# Altium PCB Convector_digit.PcbDoc (continued)
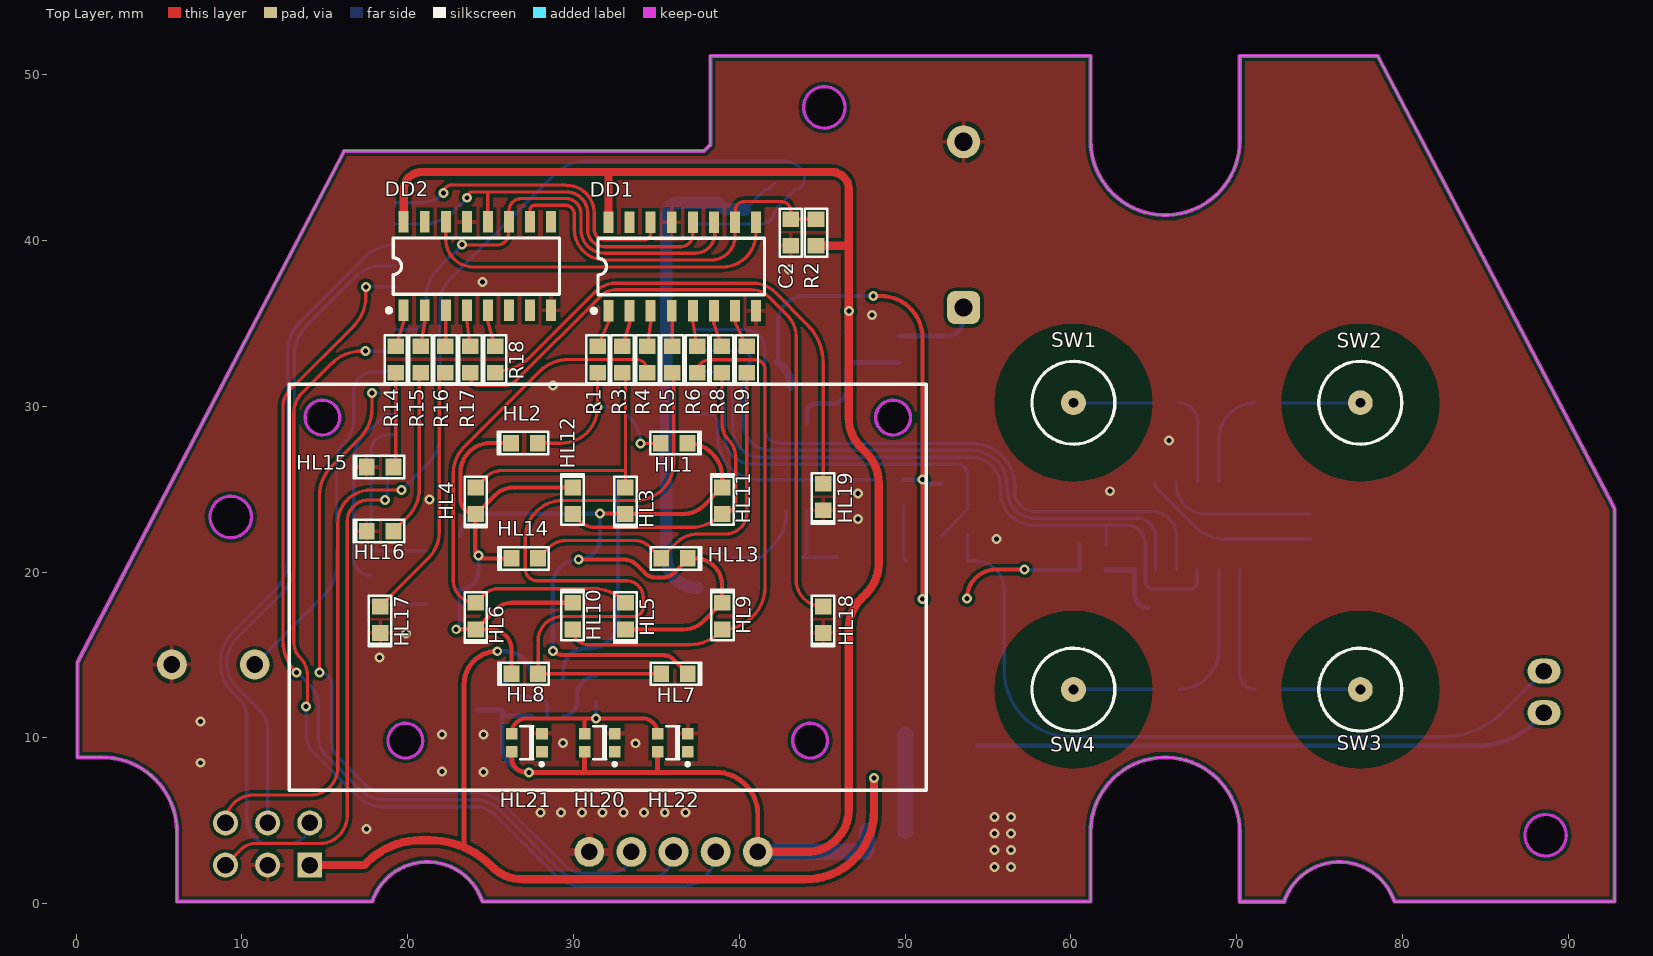
[diagram p0: Top Layer view]
## Part data
A1: library part 3576, "Bluetooth, WiFi 802.11b/g/n, Bluetooth v4.2 +EDR, Class 1, 2 and 3 Transceiver Module 2.4GHz ~ 2.5GHz Integrated, Trace Surface Mount", Manufacturer="Espressif Systems", Footprint Type=SMD, ID=3576, LCPN=C82899, MFPN=ESP32-WROOM-32, Supplier=LC, Symbol=ESP32-WROOM-32, Type=Modules, URL=https://lcsc.com/product-detail/WIFI-Modules_Espressif-Systems-ESP32-WROOM-32_C82899.html
C1 C5 C6 C7 C14 C16 C17 C18: library part 1234, "Cap Ceramic, 0603, ±10%, 50V, X7R (X5R), -55 +125C (-55 +85C)", Footprint Type=SMD, ID=1234, LCPN=C187860, MFPN=0603B104K500NT, Symbol=Capacitor, Type=Capacitors, URL=https://lcsc.com/product-detail/Multilayer-Ceramic-Capacitors-MLCC-SMD-SMT_YAGEO-CC0603KRX7R9BB104_C14663.html
C2 C8 C9: library part 1246, "Cap Ceramic, 0603, ±10%, 50V, X7R (X5R), -55 +125C (-55 +85C)", Footprint Type=SMD, ID=1246, LCPN=C1592, MFPN=CL10A105KO8NNNC, Symbol=Capacitor, Type=Capacitors, URL=https://lcsc.com/product-detail/Multilayer-Ceramic-Capacitors-MLCC-SMD-SMT_Samsung-Electro-Mechanics-CL10A105KO8NNNC_C1592.html
C3 C4: library part 1331, "Cap Ceramic, 0805, ±10%, 50V, X7R (X5R), -55 +125C (-55 +85C)", Footprint Type=SMD, ID=1331, LCPN=C17024, Symbol=Capacitor, Type=Capacitors
C10: library part 1218, "Cap Ceramic, 0603, ±10%, 50V, X7R (X5R), -55 +125C (-55 +85C)", Footprint Type=SMD, ID=1218, LCPN=C53987, MFPN=0603B472K500NT, Symbol=Capacitor, Type=Capacitors
C11 C12: library part 1163, "Cap Ceramic, 0603, 5%, 50V, NPO (C0G), -55 +125C", Footprint Type=SMD, ID=1163, LCPN=C38523, MFPN=CL10C120JB8NNNC, Symbol=Capacitor, Type=Capacitors, URL=https://lcsc.com/product-detail/Multilayer-Ceramic-Capacitors-MLCC-SMD-SMT_Samsung-Electro-Mechanics-CL10C120JB8NNNC_C38523.html
C13: library part 1144, "Cap Ceramic, 0603, 5%, 50V, NPO (C0G), -55 +125C", Footprint Type=SMD, ID=1144, LCPN=C21895, MFPN=CL10C020CB8NNNC, Symbol=Capacitor, Type=Capacitors, URL=https://lcsc.com/product-detail/Multilayer-Ceramic-Capacitors-MLCC-SMD-SMT_SAMSUNG_CL10C020CB8NNNC_2-0pF-020-0-25pF-50V_C21895.html
C15: library part 3579, "Ionistor 5.5V 0.22F", Manufacturer="WTSCAP (Wenting)", Footprint Type=TH, ID=3579, LCPN=C389744, MFPN=WTC5V50F22Z-0510H, Supplier=LC, Symbol=Capacitor_polarised, Type=Capacitors, URL=https://item.szlcsc.com/365848.html
DA1: library part 1489, "IC, Vreg, LDO, For Low ESR MLCC Cout, SOT223", Footprint Type=SMD, ID=1489, LCPN=C108494, MFPN=AZ1117EH-3.3TRG1, Supplier=JLC, Symbol=LDO_1117, Type=Microschemes, URL=https://lcsc.com/product-detail/Low-Dropout-Regulators-LDO_DIODES_AZ1117EH-3-3TRG1_AZ1117EH-3-3TRG1_C108494.html
DA2: library part 3620, "SOP-16 Touch Screen Controller ICs RoHS", LCSC_PartNumber=C441720, Manufacturer=Sam&wing, Footprint Type=SMD, Group=Микросхемы, ID=3620, LCPN=C441720, MFPN=XW09A, Name=XW09A, Supplier=LC, Symbol=XW09X, Type=Microschemes, URL=https://lcsc.com/product-detail/Touch-Screen-Controller-ICs_Sam-wing-XW09A_C441720.html
DA3: library part 3597, "Level Translators, Shifters RoHS", Manufacturer="Jiangsu RUNIC Tech", Footprint Type=SMD, ID=3597, LCPN=C2762287, MFPN=RS0101YH6, Supplier=LC, Symbol=RS0101YH6, Type=Microschemes, URL=https://lcsc.com/product-detail/Level-Translators-Shifters_Jiangsu-RUNIC-Tech-RS0101YH6_C2762287.html
DD1 DD2: library part 3557, "Shift Register Serial to parallel, serial SOIC-16_150mil", Manufacturer="Shenzhen Fuman Elec", Footprint Type=SMD, ID=3557, LCPN=C2798023, MFPN=74HC595D,118, Supplier=LC, Symbol=74HC595D, Type=Microschemes, URL=https://lcsc.com/product-detail/74-Series_Nexperia-74HC595D-118_C5947.html
DD3: library part 3578, "SOP-8 Real-time Clocks RoHS", Manufacturer="Wuxi I-core Elec", Footprint Type=SMD, ID=3578, LCPN=C116087, MFPN=AiP8563, Supplier=LC, Symbol=AiP8563, Type=Microschemes
HA1: library part 1501, "BUZZER, Piezo, Pitch 5mm (TDK)", Footprint Type=TH, ID=1501, LCPN=C219727, MFPN=PS1240P02BT, Supplier=LC, Symbol=Buzzer, Type=Audio
HL1 HL2 HL3 HL4 HL5 HL6 HL7 HL8 HL9 HL10 HL11 HL12 HL13 HL14 HL15 HL16 HL17 HL18 HL19: library part 3558, "LED, SMD 0603, 30mA, White", Manufacturer=Orient, Footprint Type=SMD, ID=3558, LCPN=C205448, MFPN=ORH-W46G, Supplier=LC, Symbol=LED, Type=LED, URL=https://lcsc.com/product-detail/Light-Emitting-Diodes-LED_Orient-ORH-W46G_C205448.html
HL20 HL21 HL22: library part 3562, "Intelligent control LED, 2.0x2.0mm", Manufacturer=Worldsemi, Footprint Type=SMD, ID=3562, LCPN=C965556, MFPN=WS2812C-2020, Supplier=LC, Symbol=WS2812C-2020, Type=LED, URL=https://lcsc.com/product-detail/Light-Emitting-Diodes-LED_Worldsemi-WS2812C-2020_C965556.html
R1 R3 R4 R5 R6 R8 R9 R14 R15 R16 R17 R18 R34: library part 61, "Res, 0603, 1%, 1/10W", Manufacturer="Walsin Tech Corp", Footprint Type=SMD, ID=61, LCPN=C163905, MFPN=WR06X3300FTL, Supplier=JLC, Symbol=Resistor, Type=Resistors, URL=https://lcsc.com/product-detail/Chip-Resistor-Surface-Mount_Walsin-Tech-Corp-WR06X3300FTL_C163905.html
R2: library part 97, "Res, 0603, 1%, 1/10W", Manufacturer="FH(Guangdong Fenghua Advanced Tech)", Footprint Type=SMD, ID=97, LCPN=C115324, MFPN=RS-03K1002FT, Supplier=JLC, Symbol=Resistor, Type=Resistors, URL=https://lcsc.com/product-detail/Chip-Resistor-Surface-Mount_FH-Guangdong-Fenghua-Advanced-Tech-RS-03K1002FT_C115324.html
R7 R19 R20: library part 109, "Res, 0603, 1%, 1/10W", Manufacturer="UNI-ROYAL(Uniroyal Elec)", Footprint Type=SMD, ID=109, LCPN=C4216, MFPN=0603WAF3302T5E, Supplier=JLC, Symbol=Resistor, Type=Resistors, URL=https://lcsc.com/product-detail/Chip-Resistor-Surface-Mount_UNI-ROYAL-Uniroyal-Elec-0603WAF3302T5E_C4216.html
R10 R11 R24 R25 R28 R30 R31 R35: library part 73, "Res, 0603, 1%, 1/10W", Manufacturer="FH(Guangdong Fenghua Advanced Tech)", Footprint Type=SMD, ID=73, LCPN=C115325, MFPN=RS-03K1002FT, Supplier=JLC, Symbol=Resistor, Type=Resistors, URL=https://lcsc.com/product-detail/Chip-Resistor-Surface-Mount_FH-Guangdong-Fenghua-Advanced-Tech-RS-03K1001FT_C115325.html
R12 R13: library part 121, "Res, 0603, 1%, 1/10W", Manufacturer="UNI-ROYAL(Uniroyal Elec)", Footprint Type=SMD, ID=121, LCPN=C25803, MFPN=0603WAF1003T5E, Supplier=JLC, Symbol=Resistor, Type=Resistors, URL=https://lcsc.com/product-detail/Chip-Resistor-Surface-Mount_UNI-ROYAL-Uniroyal-Elec-0603WAF1003T5E_C25803.html
R21 R22: library part 90, "Res, 0603, 1%, 1/10W", Footprint Type=SMD, ID=90, LCPN=C156350, MFPN=RS-03K5101FT, Symbol=Resistor, Type=Resistors
R23: library part 3606, "Res, 0805, 0.1%, 1/8W", Footprint Type=SMD, ID=3606, LCPN=C78980, Supplier=LC, Symbol=Resistor_1/8W, Type=Resistors
R26 R27 R32: library part 89, "Res, 0603, 1%, 1/10W", Manufacturer="UNI-ROYAL(Uniroyal Elec)", Footprint Type=SMD, ID=89, LCPN=C23162, MFPN=0603WAF4701T5E, Supplier=JLC, Symbol=Resistor, Type=Resistors, URL=https://lcsc.com/product-detail/Chip-Resistor-Surface-Mount_UNI-ROYAL-Uniroyal-Elec-0603WAF4701T5E_C23162.html
R29: library part 49, "Res, 0603, 1%, 1/10W", Manufacturer="UNI-ROYAL(Uniroyal Elec)", Footprint Type=SMD, ID=49, LCPN=C22775, MFPN=0603WAF1000T5E, Supplier=JLC, Symbol=Resistor, Type=Resistors, URL=https://lcsc.com/product-detail/Chip-Resistor-Surface-Mount_UNI-ROYAL-Uniroyal-Elec-0603WAF1000T5E_C22775.html
R33: library part 31, "Res, 0603, 1%, 1/10W", Footprint Type=SMD, ID=31, Symbol=Resistor, Type=Resistors
SW1 SW2 SW3 SW4: library part 1502, "Sensor Spring D=5.5/8.5, H=8.5±0.5mm", Footprint Type=TH, ID=1502, MFPN=XL-2258, Supplier="TB - BIG", Symbol=SENSOR_SPRING, Type=Switches
VD1: library part 1464, "Small Signal Fast Switching Diode, 150mA, 75V", Footprint Type=SMD, ID=1464, LCPN=C108805, MFPN=1N4148WS, Supplier=JLC, Symbol=Diode, Type=Diodes, URL=https://lcsc.com/product-detail/Switching-Diode_Shandong-Jingdao-Microelectronics-1N4148WS_C108805.html
VT1 VT2: library part 1470, "HEXFET Power MOSFET N-CH", Footprint Type=SMD, ID=1470, LCPN=C8545, MFPN=GM7002E, Supplier=JLC, Symbol=N-MOS, Type=Transistors
XP1: library part 3581, "2x3 Male pld pins 2.54", Footprint Type=TH, ID=3581, Symbol=MALE_6PIN, Type=Connectors
XP2: library part 1448, "Through-hole type shrouded header, XH Series, 2.5mm", Footprint Type=TH, ID=1448, LCPN=C158012, MFPN=B2B-XH-A(LF)(SN), Supplier=JLC, Symbol=MALE_2PIN, Type=Connectors, URL=https://lcsc.com/product-detail/Wire-To-Board-Wire-To-Wire-Connector_JST-Sales-America_B2B-XH-A-LF-SN_JST-Sales-America-B2B-XH-A-LF-SN_C158012.html
XS1: library part 1506, "Through-hole type shrouded header, XH Series, 2.5mm", Footprint Type=TH, ID=1506, LCPN=C50950, MFPN="2.54 单排排母5PIN，直插，塑高8.5mm", Supplier=JLC, Symbol=FEMALE_5PIN, Type=Connectors
ZQ1: library part 1504, "Quartz 32.768kHz 12.5pF 20ppm", Footprint Type=SMD, ID=1504, LCPN=C164062, MFPN="FC-135 32.768000kHz 12.5 +20.0-20.0", Supplier=JLC, Symbol=QUARTZ, Type=Quartzes, URL=https://lcsc.com/product-detail/SMD-Crystal-Resonators_TAE-Zhejiang-Abel-Elec-SMD-3215-2P32-768KHZ12-5PF10PPM_C164062.html

## Via types
v1: diameter 0.6, hole 0.3, Top Layer to Bottom Layer, tented both sides, 63 vias
v2: diameter 0.6, hole 0.3, Top Layer to Bottom Layer, 2 vias

## Nets (pads, with @x,y where several pads share a name; then routed paths per layer and width w, separated by ;. In a path a pad name is that pad's centre, name@x,y a point inside that pad or via, vN(x,y) a via of type N, cw(c..) or ccw(c..) an arc to the next point about the centre after c; other vN are vias at no path point)
3.3V: A1.2 C4.2 C5.2 C6.2 DA1.Y DA3.1 R7.2 R19.2 R20.2 R26.2 R27.2 R32.2 R33.2 XP1.1 XP2.1 | length 170.1
  Top Layer w0.254: v1(48.075,36.65) 48.511,36.65 cw(c48.511,34.11) 51.051,34.11 v1(51.051,25.574) v1@51.051,18.375 ; v1(53.725,18.4) cw(c55.475,18.4) 55.475,20.15 v1(57.2,20.15)
  Top Layer w0.3: 23.4,3.401 23.4,13.225 cw(c25.4,13.225) v1(25.4,15.225)
  Top Layer w0.5: XP1.1 14.59,2.33 17.38,2.33 17.531,2.481 cw(c20.774,-0.759) 20.774,3.825 21.339,3.825 cw(c21.339,-1.391) 23.4,3.401 cw(c21.339,-1.391) 25.03,2.295 25.106,2.219 ccw(c26.902,4.015) 26.902,1.475 44.013,1.475 ccw(c44.013,5.587) 48.125,5.587 v1(48.125,7.575)
  Bottom Layer w0.2: C6.2 40.35,41.85 41.575,43.075 41.75,43.075 R7.2
  Bottom Layer w0.254: R27.2 42.325,35.042 cw(c43.933,35.042) 43.933,36.65 v1(48.075,36.65) ; R19.2 v1(51.051,25.574) ; v1(51.051,25.574) ccw(c51.3,25.574) v1(51.051,25.574) ; R20.2 51.3,25.325 cw(c51.3,25.574) v1(51.051,25.574) ; v1(57.2,20.15) ccw(c57.225,20.15) 57.225,20.125 R33.2 R32.2
  Bottom Layer w0.3: v1(25.4,15.225) 25.837,15.225 cw(c25.837,13.587) DA3.1 ; 54.359,9.525 84.589,9.525 ccw(c84.589,14.199) 87.894,10.894 XP2.1
  Bottom Layer w0.5: R27.2 42.615,32.41 cw(c41.385,31.179) R26.2
  Bottom Layer w0.75: 37.45,19.05 cw(c37.45,20.9) 35.6,20.9 35.6,41.55 cw(c36.316,41.55) 36.316,42.266 A1.2 38.734,42.266 39.125,41.875 40.3,41.875 C6.2
  Bottom Layer w1: DA1.Y@50,4.4 DA1.Y@50,10.2
  other v1: 51.05,18.375
A: HL1.A HL2.A R1.1 | length 12.1
  Top Layer w0.2: HL2.A 29.277,27.777 ccw(c29.277,29.95) v1(31.45,29.95) R1.1 ; v1(34.05,27.75) 35.106,27.75 HL1.A@35.2,27.844
  Top Layer w0.254: HL1.A@35.2,27.844 HL1.A
  Bottom Layer w0.2: v1(31.45,29.95) 31.85,29.95 cw(c31.85,27.75) 34.05,27.775 cw(c31.85,27.75) v1(34.05,27.75)
ADC_CAL: A1.12 C16.2 R19.1 R21.2 | length 15.3
  Bottom Layer w0.2: A1.12 38.083,29.544 cw(c38.083,28.928) 38.7,28.928 38.7,28.076 ccw(c41.201,28.076) 41.201,25.575 C16.2 48.28,25.575 R19.1@48.302,25.597 ; R21.2 R19.1@48.302,25.597 ; R19.1 R19.1@48.302,25.597
ADC_T1: A1.11 C17.2 R20.1 R22.2 | length 24.4
  Bottom Layer w0.2: A1.11 38.32,30.814 cw(c38.32,30.035) 39.1,30.035 39.1,28.243 ccw(c40.843,28.243) 40.843,26.5 53.114,26.5 cw(c53.114,25.839) 53.775,25.839 R20.1 C17.2 52.26,22.26 cw(c52.175,22.346) R22.2
B: HL3.A HL4.A R3.1 | length 16.4
  Top Layer w0.2: HL4.A 24.741,25.738 cw(c25.675,24.804) 24.906,25.878 cw(c25.675,24.804) 25.675,26.125 33.1,26.125 33.13,26.095 ; R3.1 cw(c32.95,31.845) 33.13,31.845 33.13,26.095 ; HL3.A 33.13,26.095
BOOT: A1.25 XP1.5 | length 32.5
  Top Layer w0.2: XP1.5 9.99,3.31 ; 9.991,3.311 cw(c10.75,2.551) 10.75,3.625 14.674,3.625 ccw(c14.674,5.301) 16.35,5.301 16.35,23.05 cw(c17.65,23.05) 17.65,24.35 v1(18.625,24.35)
  Bottom Layer w0.2: v1(18.625,24.35) 18.625,24.458 18.775,24.608 18.775,26.647 19.132,27.004 A1.25
BUZZER: A1.29 R30.2 | length 11.4
  Bottom Layer w0.2: R30.2 15.7,26.675 cw(c17.269,26.675) 16.159,27.784 ; 16.16,27.785 16.213,27.838 ; 16.214,27.839 ccw(c14.978,29.074) 16.725,29.074 16.725,30.85 cw(c17.959,30.85) 17.959,32.084 A1.29
C: HL5.A HL6.A R4.1 | length 34
  Top Layer w0.2: R4.1 34.45,32.15 ccw(c33.775,32.15) 33.775,32.825 29.727,32.825 ccw(c29.727,30.285) 27.931,32.081 23.525,27.675 cw(c23.359,27.786) 23.493,27.638 ccw(c24.977,25.975) 23.401,27.552 ccw(c24.977,25.975) 23.4,27.551 ccw(c24.977,25.975) 22.748,25.975 22.748,19.497 ccw(c24.102,19.497) 22.748,19.472 ccw(c24.102,19.497) 24.077,18.144 ccw(c24.102,19.497) HL6.A 24.593,18.635 cw(c25.475,17.753) 24.754,18.77 cw(c25.475,17.753) 25.475,19 31.222,19 cw(c31.222,16.46) HL5.A@32.794,18.455 ; HL5.A@32.794,18.455 cw(c31.222,16.46) 33.018,18.256 HL5.A 33.106,18.143 HL5.A@32.794,18.455
CH1: A1.30 XS1.2 | length 57.3
  Top Layer w0.2: 13.125,15.784 ccw(c14.474,15.784) 13.519,14.831 cw(c12.482,13.792) 13.95,13.791 13.95,11.975 v1(13.875,11.9) ; 13.125,15.785 13.125,29.611 cw(c14.789,29.611) 13.613,30.787 15.406,32.581 cw(c17.202,30.785) 17.202,33.325 v1(17.45,33.325)
  Bottom Layer w0.2: v1(13.875,11.9) 13.875,10.15 ccw(c15.324,10.15) 14.299,9.126 16.945,6.48 ccw(c18.462,7.992) 18.465,5.85 24.075,5.85 cw(c24.075,4.138) 25.286,5.348 28.915,1.719 28.917,1.718 ccw(c30.516,3.317) 30.518,1.055 36.5,1.055 ccw(c36.5,3.125) XS1.2 ; v1(17.45,33.325) 19.212,33.325 A1.30
CH2: A1.33 XS1.3 | length 57.5
  Top Layer w0.2: 12.899,30.999 ccw(c13.924,29.975) 12.475,29.975 12.475,15.827 ccw(c15.015,15.827) 13.219,14.031 v1(13.3,13.95) ; 12.899,30.999 16.731,34.831 ccw(c14.935,36.627) 17.475,36.627 v1(17.475,37.2)
  Bottom Layer w0.2: v1(13.3,13.95) 13.325,13.95 14.123,13.152 ; 14.123,13.152 cw(c12.97,12) 14.6,12 14.6,10.025 ccw(c16.109,10.025) 15.041,8.959 17.17,6.83 ; 17.171,6.829 ccw(c18.508,8.165) 18.508,6.275 ; v1(17.475,37.2) 19.227,37.2 A1.33 ; 18.509,6.275 24.043,6.275 cw(c24.045,4.15) 25.547,5.653 25.549,5.651 29.176,2.024 ccw(c30.55,3.399) 30.55,1.455 34.36,1.455 ccw(c34.36,3.125) XS1.3
CH3: A1.28 XS1.4 | length 46.1
  Top Layer w0.2: v1(14.675,13.95) 14.675,24.598 cw(c17.215,24.598) 15.419,26.394 17.106,28.081 ccw(c15.31,29.877) 17.85,29.877 v1(17.85,30.8)
  Bottom Layer w0.2: v1(14.675,13.95) cw(c14.675,13.2) 15.425,13.2 15.425,9.695 ccw(c16.62,9.695) 15.775,8.85 17.501,7.124 ccw(c18.525,8.148) 18.525,6.7 24.008,6.7 ; v1(17.85,30.8) 19.227,30.8 A1.28 ; 24.009,6.7 cw(c24.009,4.127) 25.83,5.945 29.457,2.318 ccw(c30.575,3.436) 30.575,1.855 32.22,1.855 ccw(c32.22,3.125) XS1.4
D: HL7.A HL8.A R5.1 | length 44.5
  Top Layer w0.2: HL7.A HL8.A 27.862,15.862 cw(c29.319,15.862) 29.319,17.318 33.65,17.318 ccw(c33.65,17.868) 34.2,17.868 34.2,18.474 ccw(c33.204,18.474) 33.204,19.47 27.814,19.47 cw(c27.814,20.197) 27.087,20.197 27.087,22.043 cw(c29.366,22.043) 29.366,24.321 33.755,24.321 ccw(c33.755,26.608) 36.042,26.608 36.042,31.933 R5.1
DIG1: A1.27 R11.2 | length 11.6
  Bottom Layer w0.2: R11.2 17.75,19.8 cw(c17.75,20.8) 16.75,20.8 16.75,26.8 cw(c18.742,26.8) 17.333,28.208 18.265,29.14 cw(c19.242,28.163) 18.339,29.209 cw(c19.242,28.163) A1.27
DIG2: A1.26 R10.2 | length 6.3
  Bottom Layer w0.2: R10.2 17.779,27.284 cw(c18.77,27.284) 18.77,28.274 A1.26
E: HL9.A HL10.A R6.1 | length 31.9
  Top Layer w0.2: HL10.A ccw(c30.861,16.543) 30.861,15.625 37.029,15.625 ccw(c37.029,18.165) 38.501,16.095 ccw(c37.029,18.165) 38.825,16.369 HL9.A@38.987,16.531 ; R6.1 cw(c38.225,32.025) 38.225,32.8 40.975,32.8 cw(c40.975,32.225) 41.55,32.225 41.55,19.091 cw(c38.974,19.119) HL9.A
EN: A1.3 C1.2 R7.1 XP1.6 | length 75
  Top Layer w0.2: XP1.6 cw(c10.69,4.87) 10.69,6.55 14.138,6.55 ccw(c14.138,8.187) 15.775,8.187 15.775,22.95 cw(c17.775,22.95) 17.775,24.95 v1(19.625,24.95)
  Bottom Layer w0.2: v1(19.625,24.95) 21.206,26.531 ccw(c19.41,28.327) 21.95,28.327 21.95,36.204 ; 21.95,36.205 cw(c24.05,36.205) 22.566,37.691 28.906,44.031 cw(c30.702,42.235) 30.702,44.775 42.775,44.775 cw(c42.775,43.625) 43.925,43.625 C1.2 43.55,43.075 43.375,43.075 42.15,41.85 cw(c41.296,41.85) 41.296,40.996 A1.3
F: HL11.A HL12.A R8.1 | length 18.7
  Top Layer w0.2: HL12.A 30.354,23.088 ccw(c31.3,24.035) 30.52,22.948 ccw(c31.3,24.035) 31.3,22.696 37.094,22.696 ccw(c37.094,25.236) 38.89,23.44 38.949,23.499 HL11.A ccw(c38.974,24.299) 39,23.499 ccw(c38.974,24.299) 39.774,24.274 ccw(c38.974,24.299) 39.774,24.299 39.774,26.967 ccw(c38.367,26.967) 39.362,27.962 cw(c40.357,28.957) 38.95,28.957 R8.1
G: HL13.A HL14.A R9.1 | length 23.1
  Top Layer w0.2: HL14.A 28.529,21.487 cw(c29.525,20.491) 29.525,21.9 33.694,21.9 cw(c33.694,20.644) 34.582,21.533 ; 34.582,21.532 HL13.A 35.293,20.846 36.209,21.762 cw(c37.5,20.471) 37.5,22.296 39.171,22.296 ccw(c39.171,23.576) 40.45,23.576 R9.1
GND: A1.1 A1.15 A1.38 A1.GND C1.1 C2.1 C3.1 C4.1 C5.1 C6.1 C7.1 C8.1 C9.1 C10.2 C11.1 C12.1 C13.2 C14.2 C15.- C16.1 C17.1 C18.1 DA1.X DA2.1 DA3.2 DD1.8 DD1.13 DD2.8 DD2.13 DD3.4 HA1.2 HL15.C HL16.C HL17.C HL18.C HL19.C HL20.- HL21.- HL22.- R12.1 R13.1 R23.1 VT1.Z VT2.Z XP1.3 XS1.5
  other v1: 55.375,2.225 56.375,2.225 55.375,3.225 56.375,3.225 55.375,4.225 56.375,4.225 17.5,4.5 55.375,5.225 56.375,5.225 28,5.5 29.25,5.5 30.5,5.5 31.75,5.5 33,5.5 34.25,5.5 35.5,5.5 36.75,5.5 24.575,7.95 22.075,7.975 7.5,8.5 33.75,9.675 29.375,9.7 22.075,10.2 24.575,10.2 7.5,11 18.3,14.85 19.9,16.3 55.5,22 47.15,23.2 21.3,24.375 47.15,24.75 28.75,31.25 48,35.5 24.5,37.5 43,38.25
  other v2: 62.35,24.875 65.9,27.925
LED_CLK: A1.31 DD1.11 DD2.11 | length 28.5
  Top Layer w0.2: v1(23.275,39.75) 23.3,39.725 25.4,39.725 ccw(c25.4,40.4) 26.075,40.4 26.075,41.087 cw(c26.105,41.087) DD2.11 26.1,41.117 26.1,41.775 cw(c26.85,41.775) 26.85,42.525 29.537,42.525 cw(c29.537,41.612) 30.45,41.612 30.45,40.65 ccw(c31.875,40.65) 31.875,39.225 37.333,39.225 ccw(c37.333,40.414) 38.504,40.623 DD1.11
  Bottom Layer w0.2: A1.31 20.249,34.624 ccw(c20.249,35.5) 21.125,35.5 21.125,36.571 ; 21.125,36.572 cw(c23.603,36.573) 21.852,38.327 v1(23.275,39.75)
LED_MOSI: A1.37 DD1.14 | length 19.1
  Top Layer w0.2: v1(22.15,42.85) cw(c22.65,42.85) 22.65,43.35 29.578,43.325 cw(c29.578,41.653) 31.25,41.653 31.25,40.65 ccw(c31.875,40.65) 31.875,40.025 34.275,40.025 ccw(c34.275,40.4) 34.65,40.4 34.65,41.092 DD1.14
  Bottom Layer w0.2: A1.37 20.74,42.266 ccw(c20.74,44.26) v1(22.15,42.85)
LED_SHIFT: A1.36 DD1.12 DD2.12 | length 24
  Top Layer w0.2: v1(23.575,42.575) cw(c23.925,42.575) 23.925,42.925 24.835,42.925 ; DD2.12 24.835,42.925 ; DD1.12 37.194,40.344 cw(c36.475,40.344) 36.475,39.625 31.875,39.625 cw(c31.875,40.65) 30.85,40.65 30.85,41.653 ccw(c29.578,41.653) 29.578,42.925 24.835,42.925
  Bottom Layer w0.2: A1.36 20.944,40.996 ccw(c20.944,43.536) 22.74,41.74 v1(23.575,42.575)
NetC2_2: C2.2 DD1.10 DD2.10 R2.2 | length 23.9
  Top Layer w0.2: DD2.10 27.375,41.825 cw(c27.675,41.825) 27.675,42.125 29.5,42.125 cw(c29.5,41.575) 30.05,41.575 30.05,40.65 ccw(c31.875,40.65) 31.875,38.825 38.317,38.825 ccw(c38.317,40.242) 39.734,40.242 DD1.10 39.75,41.092 39.75,41.8 cw(c40.3,41.8) 40.3,42.35 42.525,42.35 cw(c42.525,41.775) 43.1,41.775 C2.2 R2.2
NetC8_2: C8.2 R21.1 R23.2 | length 3.4
  Bottom Layer w0.2: R21.1 49.902,20.822 R23.2
NetC10_1: C10.1 DA2.2 | length 10.9
  Bottom Layer w0.2: DA2.2 65.1,25.117 67.498,22.719 ccw(c69.294,24.515) 67.926,22.375 ccw(c69.294,24.515) 69.294,21.975 C10.1
NetC11_2: C11.2 DD3.1 ZQ1.1 | length 5
  Bottom Layer w0.2: DD3.1 44.08,21.155 ZQ1.1 45.9,20.9 C11.2
NetC12_2: C12.2 DD3.2 ZQ1.2 | length 5.1
  Bottom Layer w0.2: C12.2 41.3,20.875 ZQ1.2 42.066,21.641 ccw(c40.27,23.437) 42.679,22.631 ccw(c40.27,23.437) 42.81,23.437 DD3.2
NetC13_1: C13.1 DA2.3 | length 9.3
  Bottom Layer w0.2: DA2.3 66.37,25.236 ccw(c68.106,25.236) 66.878,24.009 ; 66.878,24.008 ccw(c68.106,25.236) 68.106,23.5 C13.1
NetC14_1: C14.1 DD3.8 R29.1 VD1.C | length 8.3
  Bottom Layer w0.3: DD3.8 44.08,29.63 cw(c44.625,29.63) 44.625,30.175 45.611,30.175 ccw(c45.611,31.039) 46.475,31.039 46.475,32.225 46.875,32.625 R29.1
NetC15_+: C15.+ R29.2 | length 5.2
  Bottom Layer w0.3: R29.2 52.438,34.225 ccw(c52.438,35.312) 53.525,35.312 C15.+
NetC18_2: C18.2 DA2.16 R33.1 | length 4.5
  Bottom Layer w0.3: R33.1 62.125,20.133 DA2.16 63.83,18.695 ccw(c64.675,18.695) C18.2
NetDA2_4: DA2.4 R24.2 | length 5.4
  Bottom Layer w0.2: R24.2 cw(c66.5,29.06) 67.64,29.06 DA2.4
NetDA2_5: DA2.5 R25.2 | length 6
  Bottom Layer w0.2: DA2.5 68.91,28.01 cw(c71.1,28.01) R25.2
NetDA2_11: DA2.11 R28.2 | length 7.7
  Bottom Layer w0.2: DA2.11 70.18,13.845 ccw(c71.1,13.845) R28.2
NetDA2_12: DA2.12 R31.2 | length 8.6
  Bottom Layer w0.2: R31.2 ccw(c66.5,15.335) 68.91,15.335 DA2.12
NetDA3_4: DA3.4 R34.1 | length 3.5
  Bottom Layer w0.254: DA3.4 ccw(c29.375,12.137) 30.2,12.137 30.2,12.575 cw(c31.35,12.575) R34.1
NetDA3_5: DA3.5 R35.1 | length 4
  Bottom Layer w0.2: R35.1 25.919,13.275 R35.1@25.971,13.239
  Bottom Layer w0.254: R35.1@25.971,13.239 cw(c25.856,13.075) 26.052,13.114 ccw(c26.864,13.275) 26.864,12.448 27.736,12.448 cw(c27.736,11.759) 28.425,11.759 DA3.5
NetDD1_1: DD1.1 R1.2 | length 2.3
  Top Layer w0.2: R1.2@31.469,33.617 32.107,35.06 ccw(c31.924,35.141) 32.124,35.141 32.124,35.208 DD1.1
NetDD1_2: DD1.2 R3.2 | length 2.2
  Top Layer w0.2: R3.2 32.954,33.621 32.964,33.621 33.391,35.045 ; DD1.2 33.399,35.208 33.399,35.102 cw(c33.199,35.102) 33.391,35.045
NetDD1_3: DD1.3 R4.2 | length 2.2
  Top Layer w0.2: R4.2 34.456,33.624 34.648,35.088 ; 34.648,35.088 ccw(c34.45,35.114) 34.65,35.114 34.65,35.208 DD1.3
NetDD1_4: DD1.4 R5.2 | length 2.7
  Top Layer w0.2: R5.2 DD1.4@35.95,35.208 ; DD1.4@35.95,35.208 35.924,35.234 DD1.4 DD1.4@35.95,35.208
NetDD1_5: DD1.5 R6.2 | length 2.2
  Top Layer w0.2: DD1.5 37.2,35.208 37.2,35.092 ccw(c37.4,35.092) 37.202,35.06 37.447,33.591 37.447,33.622 R6.2
NetDD1_6: DD1.6 R8.2 | length 2.2
  Top Layer w0.2: 38.462,34.966 38.934,33.62 38.94,33.625 R8.2 ; 38.462,34.967 cw(c38.651,35.032) 38.451,35.032 38.451,35.208 DD1.6
NetDD1_7: DD1.7 R9.2 | length 2.3
  Top Layer w0.2: DD1.7 39.749,35.208 39.749,35.097 ccw(c39.949,35.097) 39.768,35.012 ; 39.768,35.011 40.431,33.616 40.44,33.625 R9.2
NetDD1_9: DD1.9 DD2.14 | length 22.5
  Top Layer w0.2: DD2.14 22.295,40.059 ccw(c23.954,40.059) 23.954,38.4 38.988,38.4 ccw(c38.988,40.416) 41.004,40.416 DD1.9
NetDD2_1: DD2.1 R14.2 | length 2.2
  Top Layer w0.2: R14.2 19.279,33.621 19.289,33.621 19.741,35.072 ; 19.741,35.072 ccw(c19.55,35.131) 19.75,35.131 19.75,35.233 DD2.1
NetDD2_2: DD2.2 R15.2 | length 2.4
  Top Layer w0.2: R15.2 20.776,33.624 20.783,33.624 21.022,35.084 ccw(c20.825,35.116) 20.987,35.233 20.825,35.233 DD2.2
NetDD2_3: DD2.3 R16.2 | length 2.7
  Top Layer w0.2: R16.2 22.291,33.625 DD2.3@22.291,35.233 ; DD2.3@22.291,35.233 22.291,35.779 DD2.3 DD2.3@22.291,35.233
NetDD2_4: DD2.4 R17.2 | length 2.2
  Top Layer w0.2: DD2.4 23.575,35.233 23.575,35.115 ccw(c23.775,35.115) 23.576,35.089 R17.2@23.769,33.624 ; R17.2@23.769,33.625 R17.2
NetDD2_5: DD2.5 R18.2 | length 2.1
  Top Layer w0.2: DD2.5@24.825,35.233 DD2.5 ; 24.833,35.072 25.242,33.616 25.252,33.625 R18.2
NetHA1_1: HA1.1 R30.1 | length 8.9
  Bottom Layer w0.2: HA1.1 14.956,18.606 ccw(c13.16,20.402) 15.7,20.402 R30.1
NetHL1_C: HL1.C HL3.C HL5.C HL7.C HL9.C HL11.C HL13.C VT1.Y | length 57.5
  Top Layer w0.254: v1(28.75,15.25) ccw(c29.354,15.854) 28.991,15.081 ccw(c29.354,15.854) 29.354,15 35.375,15 cw(c35.375,14.075) 36.029,14.729 HL7.C HL7.C@36.893,13.89 ; v1(30.312,20.762) 33,20.762 cw(c33,19.586) 33.832,20.418 ; v1(31.6,23.525) 33.102,23.525 HL3.C 33.134,23.5 36.572,23.5 ccw(c36.572,25.378) 37.9,24.05 ; HL5.C 36.637,16.543 ccw(c36.637,18.263) 37.852,17.046 ; 33.832,20.418 34.345,19.905 ; 34.345,19.905 ccw(c34.9,20.46) 34.9,19.675 35.382,19.675 ccw(c35.382,20.618) 36.049,19.951 ; 36.049,19.951 36.893,20.796 HL13.C 37.366,20.821 cw(c37.366,19.238) 38.949,19.238 38.949,18.143 37.853,17.047 ; HL1.C cw(c36.867,25.67) 38.974,25.67 HL11.C 38.949,25.099 37.9,24.05
  Bottom Layer w0.254: VT1.Y cw(c24.495,22.193) 24.495,23.522 31.597,23.522 v1(31.6,23.525) 31.6,22.05 cw(c30.312,22.05) v1(30.312,20.762) ccw(c30.312,19.2) 28.75,19.2 v1(28.75,15.25)
NetHL2_C: HL2.C HL4.C HL6.C HL8.C HL10.C HL12.C HL14.C VT2.Y | length 35.3
  Top Layer w0.2: HL4.C@24.075,23.472 HL4.C HL4.C@24.127,23.499
  Top Layer w0.254: v1(22.925,16.55) HL6.C@24.095,16.55 ; HL4.C@24.075,23.472 24.075,21.2 v1(24.265,21.01) 24.454,20.821 HL14.C ; HL4.C cw(c24.102,24.426) 23.175,24.426 23.175,25.975 cw(c24.977,25.975) 24.977,27.777 HL2.C ; HL4.C@24.127,23.499 25.264,24.636 cw(c26.381,23.519) 26.381,25.099 HL12.C ; 25.044,16.538 HL6.C@24.127,16.543 ; 25.045,16.538 cw(c25.03,15.306) 26.262,15.306 HL8.C ; HL10.C 26.264,18.143 ccw(c26.264,16.786) 25.304,17.746 24.475,16.916 24.475,16.891 HL6.C@24.127,16.543 ; HL6.C@24.127,16.543 ccw(c24.102,14.383) HL6.C HL6.C@24.127,16.543
  Bottom Layer w0.254: v1(22.925,16.55) 22.925,16.644 23.125,16.844 23.125,18.937 VT2.Y ccw(c23.163,20.077) 23.214,18.976 ccw(c23.163,20.077) 24.265,20.077 v1(24.265,21.01)
NetHL15_A: HL15.A R14.1 | length 5.7
  Top Layer w0.2: HL15.A 19.275,26.479 R14.1
NetHL16_A: HL16.A R15.1 | length 10.1
  Top Layer w0.2: HL16.A 19.999,23.333 ccw(c18.307,25.025) 20.192,23.551 ccw(c18.307,25.025) 20.7,25.025 20.7,31.95 R15.1
NetHL17_A: HL17.A R16.1 | length 15.6
  Top Layer w0.2: HL17.A 21.26,20.855 ccw(c19.716,22.4) 21.9,22.4 21.9,31.65 R16.1
NetHL18_A: HL18.A R17.1 | length 41.2
  Top Layer w0.2: R17.1 23.775,31.75 ccw(c24.275,31.75) 24.275,31.25 25.836,31.25 ccw(c25.838,32.201) 26.511,31.529 31.628,36.647 cw(c32.542,35.733) 32.542,37.025 40.75,37.025 cw(c40.75,35.576) 41.774,36.601 ; 41.774,36.601 42.895,35.48 ; 42.895,35.48 cw(c41.614,34.2) 43.425,34.2 43.425,19.534 ccw(c45.03,19.534) 45.03,17.929 HL18.A
NetHL19_A: HL19.A R18.1 | length 31.7
  Top Layer w0.2: R18.1 25.28,32.036 25.334,32.158 ccw(c25.455,34.852) 27.361,32.945 31.344,36.928 cw(c32.542,35.733) 31.347,36.931 cw(c32.542,35.733) 32.542,37.425 40.82,37.425 cw(c40.821,35.545) 42.151,36.874 42.152,36.873 44.099,34.926 ; 44.1,34.925 cw(c41.798,32.621) 45.055,32.621 HL19.A
NetR10_1: R10.1 R13.2 VT1.X | length 3.4
  Bottom Layer w0.2: R10.1 18.179,21.283 20.792,21.283 VT1.X
NetR11_1: R11.1 R12.2 VT2.X | length 3.4
  Bottom Layer w0.2: R11.1 18.175,18.066 20.788,18.066 VT2.X
NetR24_1: R24.1 SW1.1 | length 4.8
  Bottom Layer w0.2: SW1.1 60.149,30.2 R24.1
NetR25_1: R25.1 SW2.1 | length 4.8
  Bottom Layer w0.2: R25.1 77.449,30.2 SW2.1
NetR28_1: R28.1 SW3.1 | length 4.8
  Bottom Layer w0.2: R28.1 77.449,12.925 SW3.1
NetR31_1: R31.1 SW4.1 | length 4.8
  Bottom Layer w0.2: SW4.1 60.149,12.925 R31.1
RGB_ESP: A1.16 DA3.3 | length 13.9
  Bottom Layer w0.254: DA3.3 29.375,14.047 cw(c30.728,14.047) 30.728,15.4 30.952,15.4 ccw(c30.952,17.135) 32.687,17.135 A1.16
RGB_LEDS: HL20.I HL21.I HL22.I R34.2 | length 11.7
  Top Layer w0.254: HL21.I cw(c27.181,10.259) 27.181,11.175 30.667,11.175 HL20.I ; 30.675,11.175 34.152,11.175 cw(c34.152,10.259) HL22.I
  Bottom Layer w0.254: v1(31.35,11.175) R34.2
RX0: A1.34 XP1.4 | length 39.3
  Bottom Layer w0.2: XP1.4 11.55,10.581 ccw(c10.056,10.581) 11.112,11.638 9.728,13.022 cw(c11.243,14.538) 9.1,14.538 cw(c11.243,14.538) 9.727,16.052 12.431,18.756 ccw(c10.635,20.552) 13.175,20.552 13.175,33.098 cw(c15.715,33.098) 13.919,34.894 16.837,37.812 cw(c18.391,36.259) 18.391,38.456 A1.34
SCL: A1.8 DA2.14 DD3.6 R26.1 | length 40.5
  Bottom Layer w0.2: A1.8 40.376,34.624 cw(c40.376,33.475) 41.525,33.475 R26.1 41.54,31.164 DD3.6 41.54,28.635 ccw(c42.425,28.635) 42.425,27.75 54.06,27.75 cw(c54.06,25.21) 56.6,25.21 56.6,24.853 ccw(c57.803,24.853) 57.803,23.65 64.876,23.65 cw(c64.876,22.156) 66.37,22.156 DA2.14
SDA: A1.9 DA2.15 DD3.5 R27.1 | length 38.6
  Bottom Layer w0.2: A1.9 40.071,33.354 cw(c40.071,32.7) 40.725,32.725 cw(c40.071,32.7) R27.1 40.725,32.675 40.27,32.22 DD3.5 ; DD3.5@40.278,29.045 ccw(c41.825,28.903) 41.824,27.35 53.733,27.35 53.975,27.35 cw(c53.975,25.15) 56.175,25.15 56.175,24.878 ccw(c57.803,24.878) 57.803,23.25 58.625,23.25 63.986,23.25 cw(c63.986,22.136) 65.1,22.136 DA2.15
T1: C9.2 R22.1 XP2.2 | length 45.8
  Bottom Layer w0.2: R22.1 C9.2 54.232,20.675 cw(c54.232,18.932) 55.975,18.932 55.975,14.075 ccw(c59.975,14.075) 59.975,10.075 82.427,10.075 ccw(c82.427,15.261) 86.094,11.594 XP2.2
Touch1: DA2.6
Touch2: DA2.7
Touch3: DA2.9
Touch4: DA2.10
Touch5: DA2.8
TOUCH_INT: A1.10 DA2.13 R32.1 | length 42
  Bottom Layer w0.2: A1.10 38.248,32.084 cw(c38.248,30.732) 39.6,30.732 39.6,28.623 ccw(c41.298,28.623) 41.298,26.925 54.006,26.925 cw(c54.006,25.206) 55.725,25.206 55.725,24.896 ccw(c57.796,24.896) 57.796,22.825 62.125,22.825 ; R32.1 62.125,22.825 ; DA2.13@67.625,20.133 67.625,19.425 cw(c67.175,19.425) 67.175,18.975 64.975,18.975 cw(c64.975,19.475) 64.475,19.475 64.475,21.693 ccw(c63.343,21.693) 63.343,22.825 62.125,22.825
TX0: A1.35 XP1.2 | length 45.1
  Bottom Layer w0.2: XP1.2 cw(c12.87,4.87) 14.089,4.814 cw(c12.87,4.87) 12.926,3.651 cw(c12.87,4.87) 12.87,3.65 11.58,3.65 cw(c11.58,4.93) 10.3,4.93 10.3,11.26 ccw(c8.814,11.26) 9.865,12.31 9.43,12.745 9.429,12.746 cw(c11.207,14.525) 8.692,14.526 cw(c11.327,14.525) 9.465,16.39 12.006,18.931 ccw(c10.21,20.727) 12.75,20.727 12.75,33.273 cw(c15.29,33.273) 13.494,35.069 17.407,38.982 cw(c19.203,37.186) 19.203,39.726 A1.35
VCC: C3.2 C7.2 DA1.Z DA3.6 DD1.16 DD2.16 HL20.+ HL21.+ HL22.+ R2.1 R35.2 VD1.A XS1.1 | length 119.1
  Top Layer w0.3: HL21.+ 26.265,8.784 ccw(c27.124,8.784) 27.124,7.925 v1(27.3,7.925) 30.675,7.925 ; HL20.+ 30.675,9.159 30.675,7.925 ; HL22.+ 35.075,9.159 35.075,7.925 ; XS1.1 41.11,5.385 ccw(c38.57,5.385) 38.57,7.925 35.075,7.925 ; 30.675,7.925 35.075,7.925
  Top Layer w0.5: DD2.16 19.755,43.037 cw(c20.843,43.037) 20.843,44.125 32.114,44.125 ; DD1.16 32.114,44.125 ; XS1.1 44.06,3.125 ccw(c44.06,5.665) 46.6,5.665 46.6,16.598 cw(c49.14,16.598) 47.344,18.394 47.656,18.706 ccw(c45.86,20.502) 48.4,20.502 48.4,25.398 ccw(c45.86,25.398) 47.656,27.194 47.344,27.506 cw(c49.14,29.302) 46.6,29.302 v1(46.6,35.75) 46.6,39.726 ; R2.1 46.549,39.675 ccw(c46.549,39.726) 46.6,39.726 ; 32.114,44.125 32.125,44.125 45.568,44.125 cw(c45.568,43.093) 46.6,43.093 46.6,39.726
  Bottom Layer w0.3: C7.2 R35.2 ; v1(27.3,7.925) cw(c27.3,9.525) 25.7,9.525 R35.2 ; DA3.6 26.062,11.312 cw(c26.062,11.675) R35.2
  Bottom Layer w0.5: VD1.A 46.588,34.537 46.588,35.738 v1(46.6,35.75)
  Bottom Layer w1: XS1.1 C3.2 47.564,3.125 ccw(c47.564,3.251) DA1.Z@47.69,3.251 ; DA1.Z@47.7,3.7 DA1.Z
pads on no net: A1.4 A1.5 A1.6 A1.7 A1.13 A1.14 A1.17 A1.18 A1.19 A1.20 A1.21 A1.22 A1.23 A1.24 A1.32 DD1.15 DD2.6 DD2.7 DD2.9 DD2.15 DD3.3 DD3.7 HL20.O HL21.O HL22.O

## Polygon pours and split planes (outlines as drawn)
GND on Bottom Layer "GND_L02_P002" (solid, pour order 2): 0.075,8.825 0.075,14.55 16.165,45.4 38.25,45.4 38.251,51.125 61.175,51.125 61.175,46.15 ccw(c65.675,46.051) 70.175,46.15 70.175,51.125 78.5,51.125 92.775,23.825 92.775,0.125 79.501,0.122 ccw(c76.177,-0.957) 72.854,0.126 70.175,0.125 70.182,4.65 ccw(c65.688,4.32) 61.194,4.65 61.175,0.125 24.516,0.115 ccw(c21.183,-0.984) 17.85,0.117 6.075,0.121 6.075,4.333 ccw(c1.583,4.333) 1.583,8.825
3.3V on Bottom Layer "3.3V_L02_P001" (solid, pour order 1): 38.501,6.5 53.75,6.5 ccw(c53.75,7.65) 54.9,7.65 54.9,18.085 ccw(c53.56,18.085) 53.56,19.425 37.25,19.425 37.272,7.727 ccw(c38.501,7.729)
GND on Top Layer "GND_L01_P000" (solid, pour order 0): 0.075,8.825 0.075,14.55 16.165,45.4 38.25,45.4 38.25,51.126 61.175,51.125 61.175,46.15 ccw(c65.675,46.051) 70.175,46.15 70.175,51.125 78.5,51.125 92.775,23.825 92.775,0.125 79.501,0.122 ccw(c76.177,-0.957) 72.854,0.126 70.175,0.125 70.182,4.65 ccw(c65.688,4.32) 61.194,4.65 61.175,0.125 24.516,0.115 ccw(c21.183,-0.984) 17.85,0.117 6.075,0.121 6.075,4.333 ccw(c1.583,4.333) 1.583,8.825

## Keep-outs
Keep-Out Layer:
  circle w0.2: c19.856,9.833 r1.05
  circle w0.2: c14.856,29.32 r1.05
  circle w0.2: c49.27,29.32 r1.05
  circle w0.2: c44.27,9.833 r1.05
  circle w0.2: c88.625,4.125 r1.25
  circle w0.2: c45.125,48.025 r1.25
  circle w0.2: c9.325,23.325 r1.25
  lines w0.25: 61.182,0.126 24.505,0.126 ccw(c21.182,-0.974) 17.859,0.126 6.082,0.126 6.082,4.326 ccw(c1.582,4.326) 1.582,8.826 0.082,8.826 0.082,14.56 16.165,45.4 37.875,45.4 38.25,45.775 38.25,51.126 43.601,51.126 61.182,51.126 61.182,46.026 ccw(c65.682,46.026) 70.182,46.026 70.182,51.126 78.5,51.126 92.782,23.826 92.782,0.126 79.505,0.126 ccw(c76.182,-0.974) 72.859,0.126 ; 61.182,0.134 61.182,4.334 cw(c65.682,4.326) 70.182,4.326 70.182,0.117 72.859,0.117

## Other copper
Bottom Layer:
  pour cut-out: 40.275,19.425 40.275,21.55 cw(c41.587,21.55) 41.587,22.862 44.58,22.862 44.947,20.569 44.947,19.422 cw(c44.225,19.422) 44.225,18.7 41,18.7 cw(c41,19.425)

## Silkscreen, mask and mechanical layers (free items; w line width, h text height)
Top Overlay:
  lines w0.2: 12.863,6.834 12.863,31.321 51.277,31.321 51.277,6.834 12.863,6.834
Bottom Overlay:
  lines w0.2: 50.525,15.95 50.525,19.125 51.1,19.7 51.1,23.6 50.775,23.925 ; 50.8,22.475 51.1,22.475
  text "Electronica_digital_v1.0.0" at 86.058,31.949 h2 r297.5
Mechanical 2:
  drawing of 337 lines, arcs and shapes, not listed
Mechanical 3:
  circle w0.2: c53.518,45.949 r0.55
  circle w0.2: c53.518,35.949 r0.55
  circle w0.2: c45.118,48.024 r1.25
  circle w0.2: c88.518,14.024 r0.5
  circle w0.2: c88.518,11.524 r0.5
  circle w0.2: c88.618,4.124 r1.25
  circle w0.2: c41.103,3.124 r0.5
  circle w0.2: c38.563,3.124 r0.5
  circle w0.2: c14.083,4.869 r0.5
  circle w0.2: c11.543,4.869 r0.5
  circle w0.2: c10.768,14.424 r0.5
  circle w0.2: c9.318,23.324 r1.25
  circle w0.2: c5.768,14.424 r0.5
  circle w0.2: c36.023,3.124 r0.5
  circle w0.2: c33.483,3.124 r0.5
  circle w0.2: c30.943,3.124 r0.5
  circle w0.2: c14.083,2.329 r0.5
  circle w0.2: c11.543,2.329 r0.5
  circle w0.2: c9.003,4.869 r0.5
  circle w0.2: c9.003,2.329 r0.5
  circle w0.2: c60.149,30.213 r0.3
  circle w0.2: c77.449,30.213 r0.3
  circle w0.2: c60.149,12.913 r0.3
  circle w0.2: c77.449,12.913 r0.3
  lines w0.2: 0.075,8.825 0.075,14.559 19.144,51.125 61.175,51.125 61.175,46.025 ccw(c65.675,46.025) 70.175,46.025 70.175,51.125 78.493,51.125 92.775,23.825 92.775,0.125 79.498,0.125 ccw(c76.175,-0.975) 72.852,0.125 70.175,0.116 70.175,4.325 ccw(c65.675,4.325) 61.175,4.333 61.175,0.125 24.498,0.125 ccw(c21.175,-0.975) 17.852,0.125 6.075,0.125 6.075,4.325 ccw(c1.575,4.325) 1.575,8.825 0.075,8.825
Mechanical 13:
  drawing of 26016 lines, arcs and shapes, not listed

## Text inside footprints (layer, text, board x,y; h text height)
C15: Bottom Overlay "+" at 54.025,32.85 h1.5